# Altium PCB 10515.0461_全联供输出板_V1.1_20200827_1P.PcbDoc (part 2 of 4) (continued)
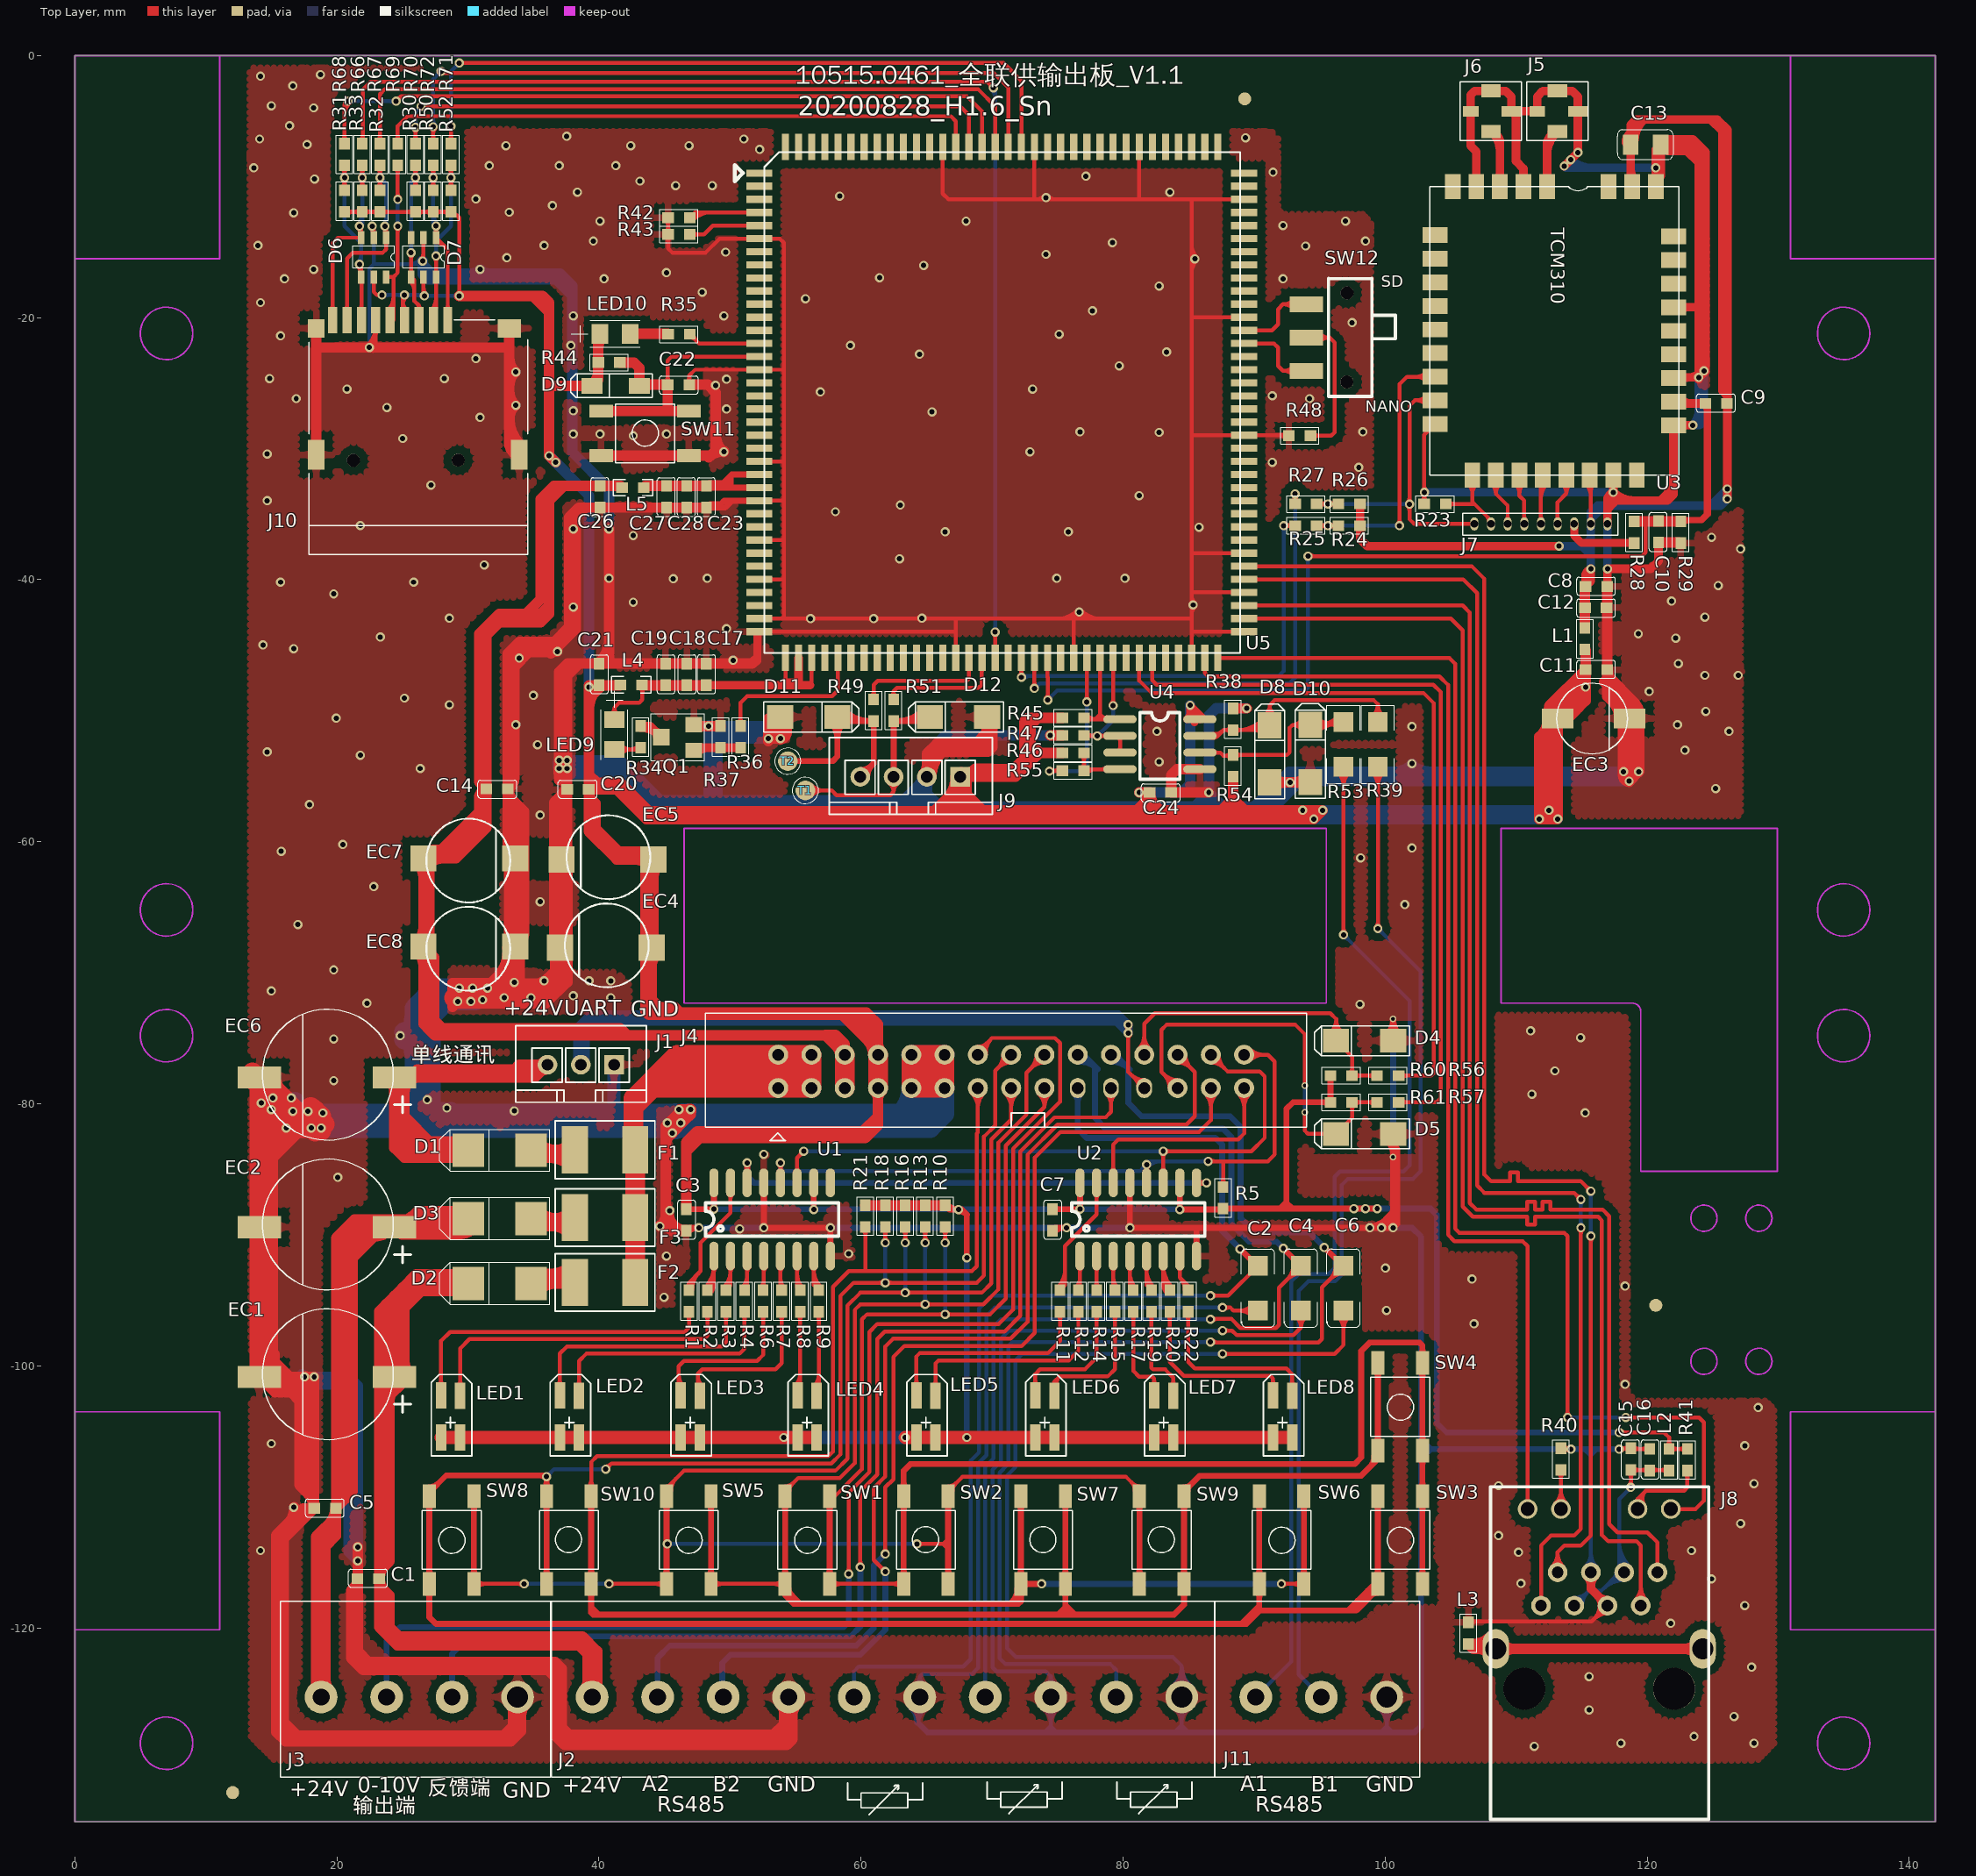
[diagram p0: Top Layer view]
## Nets (pads, with @x,y where several pads share a name; then routed paths per layer and width w, separated by ;. In a path a pad name is that pad's centre, name@x,y a point inside that pad or via, vN(x,y) a via of type N, cw(c..) or ccw(c..) an arc to the next point about the centre after c; other vN are vias at no path point) (continued)
  Top Layer w0.8: EC1.2@13.766,-100.526 ccw(c12.998,-99.758) 14.084,-99.758 ccw(c15.17,-99.758) EC1.2@14.402,-100.526 ; EC2.2@13.766,-89.732 cw(c12.998,-90.5) 14.084,-90.5 cw(c15.17,-90.5) EC2.2@14.402,-89.732 ; EC2.2@13.766,-89.096 ccw(c12.998,-88.328) 14.084,-88.328 ccw(c15.17,-88.328) EC2.2@14.402,-89.096 ; EC6.2@13.766,-78.302 cw(c12.998,-79.07) 14.084,-79.07 cw(c15.17,-79.07) EC6.2@14.402,-78.302 ; v1@14.174,-79.936 ccw(c15.28,-79.936) 14.498,-80.718 ; EC2.2@14.566,-89.732 cw(c13.245,-91.053) 15.113,-91.053 ; EC2.2@14.566,-89.096 ccw(c13.245,-87.775) 15.113,-87.775 ; EC1.2@14.594,-100.5 ccw(c13.428,-99.113) 15.24,-99.113 15.24,-100.002 14.398,-100.844 EC1.2@14.084,-100.844 ; EC1.2@14.731,-100.529 cw(c15.345,-101.793) 16.338,-100.799 ; EC6.2@14.884,-78.434 cw(c14.884,-79.347) EC6.2@15.529,-78.701 ; EC1.2@14.98,-101.284 cw(c15.195,-102.261) 15.902,-101.553 ; 15.113,-99.113 15.113,-84 ; 15.113,-82.349 15.113,-81.333 ; EC1.2@15.202,-101.162 cw(c15.97,-101.93) 15.97,-100.844 cw(c15.97,-99.758) EC1.2@15.202,-100.526 ; 15.24,-99.701 16.383,-100.844 ; 15.24,-84 17.399,-81.841 ; EC1.2@15.244,-100.574 ccw(c16.891,-99.343) 16.891,-101.399 ; EC6.2@15.334,-77.984 ccw(c16.594,-77.984) 15.703,-78.875 ; 15.347,-82.115 cw(c16.129,-82.897) v1@16.129,-81.791 ; 15.367,-82.095 cw(c16.102,-82.83) v1@16.13,-81.791 ; 15.367,-81.587 ccw(c16.102,-80.852) v1@16.13,-81.891 ; 16.184,-79.356 cw(c14.968,-80.571) v1@16.687,-80.571 ; 16.228,-112.067 ccw(c14.957,-110.797) v1@16.754,-110.797 ; v1@16.637,-80.521 cw(c16.637,-82.24) 17.852,-81.024 ; 16.843,-111.453 cw(c18.224,-112.835) C5.1@18.224,-110.88 ; 17.02,-111.276 cw(c18.012,-112.268) C5.1@18.224,-110.88 ; 17.035,-82.205 cw(c18.034,-83.203) v1@18.034,-81.791 ; 17.082,-82.158 cw(c17.972,-83.049) v1@18.037,-81.791 ; 17.215,-80.387 ccw(c17.78,-79.822) v1@17.78,-80.621 ; v1@17.476,-100.844 ccw(c18.45,-100.844) 17.761,-101.533 ; v1@17.53,-100.794 cw(c17.474,-101.581) 18.263,-101.581 ; v1@17.561,-100.809 cw(c15.868,-102.502) 18.263,-102.502 ; v1@17.575,-100.855 cw(c16.891,-100.697) 16.891,-101.399 ; v1@17.653,-80.825 14.812,-77.984 EC6.2@14.084,-77.984 14.084,-80.304 15.113,-81.333 ; 17.718,-109.666 cw(c16.509,-110.874) C5.1@18.218,-110.874 ; 18.263,-109.448 17.145,-108.33 ; 18.263,-102.034 17.628,-101.399 16.891,-101.399 ; J10.11@18.415,-30.471 18.415,-22.278 ; J10.10@18.415,-20.819 18.415,-22.278 ; v1(18.796,-81.841) 15.621,-81.841 ; 21.317,-116.91 ccw(c20.788,-116.382) C1.1@21.52,-116.232 ; C1.1@21.565,-116.231 21.565,-116.662 21.082,-117.145 21.082,-122.301 21.996,-123.215 35.585,-123.215 ; v1@21.59,-113.843 21.59,-121.793 22.403,-122.606 36.652,-122.606 37.16,-123.114 37.16,-128.143 38.684,-128.143 ; 28.829,-72.591 cw(c29.288,-72.591) v1@29.2,-72.14 ; 28.829,-72.279 cw(c30.443,-72.279) 29.302,-71.138 cw(c30.136,-71.972) 30.136,-70.792 ; 28.829,-71.39 ccw(c30.009,-71.39) v1@29.175,-72.224 ; v1(29.337,-71.173) v1@29.337,-72.316 ; v1@29.383,-71.153 ccw(c28.829,-71.397) 28.829,-70.792 ; 29.554,-70.792 cw(c29.554,-71.972) v1@30.388,-71.138 ; v1@30.318,-71.138 cw(c31.152,-71.972) 31.152,-70.792 ; 30.622,-72.316 ccw(c30.622,-71.569) v1@31.15,-72.097 ; 30.697,-70.792 cw(c30.697,-71.972) v1@31.531,-71.138 ; v1@31.08,-72.097 ccw(c31.608,-71.569) 31.608,-72.316 ; 31.875,-72.316 ccw(c31.875,-71.006) v1@32.801,-71.932 ; 32.223,-70.319 ccw(c30.292,-68.389) EC8.2@33.003,-68.069 ; v1@32.731,-71.932 ccw(c33.657,-71.006) 33.657,-72.316 ; J10.13@32.936,-21.03 cw(c32.426,-21.54) 33.147,-21.54 cw(c33.868,-21.54) J10.13@33.358,-21.03 ; EC7.2@33.045,-60.413 ccw(c34.453,-60.413) EC7.2@33.458,-61.408 ; 33.045,-58.482 ccw(c36.384,-58.482) 34.023,-60.843 cw(c35.048,-59.818) 33.599,-59.818 cw(c32.15,-59.818) 33.175,-60.843 ccw(c30.482,-58.15) 34.29,-58.15 ; 33.045,-56.441 34.29,-57.686 34.29,-66.982 ; 33.045,-52.42 cw(c35.006,-52.42) v1@33.62,-51.034 ; 33.045,-49.718 ccw(c35.006,-49.718) v1@33.62,-51.104 ; C14.1@33.079,-55.955 ccw(c31.995,-54.871) 33.528,-54.871 ; C14.1@33.08,-55.954 ccw(c32.619,-55.171) 33.528,-55.171 ; EC8.2@33.147,-67.546 33.147,-61.267 EC7.2@33.599,-61.267 ; 33.147,-65.458 ccw(c36.139,-65.458) 34.023,-67.574 cw(c35.048,-66.549) 33.599,-66.549 cw(c32.15,-66.549) 33.175,-67.574 ccw(c30.482,-64.881) 34.29,-64.881 ; 33.147,-63.807 cw(c36.139,-63.807) 34.023,-61.691 ccw(c35.048,-62.716) 33.599,-62.716 ccw(c32.15,-62.716) 33.175,-61.691 cw(c30.482,-64.384) 34.29,-64.384 ; 33.147,-29.488 ccw(c34.385,-29.488) J10.12@33.509,-30.363 ; 33.147,-27.791 cw(c34.761,-27.791) v1@33.62,-26.65 ; 33.147,-27.556 ccw(c36.316,-27.556) J10.12@34.075,-29.797 ; 33.147,-25.579 ccw(c34.761,-25.579) v1@33.62,-26.72 ; 33.147,-25.251 cw(c34.761,-25.251) v1@33.62,-24.11 ; 33.147,-23.039 ccw(c34.761,-23.039) v1@33.62,-24.18 ; J10.13@33.147,-20.819 33.147,-22.278 ; J3.1@33.206,-125.893 cw(c31.332,-127.878) 34.061,-127.878 ; 33.338,-55.361 ccw(c33.937,-55.96) 33.09,-55.96 ccw(c34.359,-55.96) 33.462,-56.857 ; 33.389,-69.153 ccw(c32.378,-68.142) EC8.2@33.798,-67.974 ; 33.409,-46.146 cw(c33.909,-46.646) v1@33.909,-45.939 ; 33.426,-127.537 cw(c35.293,-127.537) J3.1@34.26,-125.983 ; EC8.2@33.599,-68.943 31.75,-70.792 28.829,-70.792 ; 33.599,-56.995 EC7.2@33.599,-61.267 ; EC8.2@33.74,-68.139 ccw(c32.414,-66.813) 34.29,-66.813 ; EC7.2@33.74,-61.408 ccw(c32.414,-60.082) 34.29,-60.082 ; EC7.2@33.74,-61.126 cw(c32.414,-62.452) 34.29,-62.452 ; 33.788,-46.402 ccw(c33.375,-45.989) v1@33.959,-45.989 ; J3.1@33.789,-125.649 34.061,-125.921 34.061,-127.864 33.274,-128.651 16.078,-128.651 15.367,-127.94 15.367,-112.928 17.421,-110.874 C5.1@18.263,-110.874 ; v1@33.859,-45.992 cw(c34.467,-45.95) 34.036,-45.519 ; v1@33.874,-45.954 cw(c34.923,-47.003) 34.923,-45.519 ; 33.907,-72.316 ccw(c33.907,-71.006) v1@34.833,-71.932 ; v1@33.909,-46.039 ccw(c33.909,-45.454) 34.322,-45.868 ; J10.12@33.909,-30.471 33.147,-29.709 33.147,-22.278 ; 34.061,-126.669 cw(c35.183,-126.669) J3.1@34.39,-125.876 ; EC8.2@34.147,-67.754 cw(c34.78,-67.472) 34.29,-66.982 ; J3.1@34.163,-125.649 33.426,-124.912 33.426,-127.508 32.715,-128.219 16.967,-128.219 ; 34.671,-45.519 33.528,-46.662 33.528,-55.171 ; v1@34.763,-71.932 ccw(c35.689,-71.006) 35.689,-72.316 ; 36.33,-45.638 cw(c36.83,-46.138) v1@36.83,-45.431 ; EC4.2@36.576,-67.638 36.576,-57.001 C20.1@37.567,-56.01 ; 36.576,-65.571 ccw(c39.517,-65.571) 37.437,-67.651 cw(c38.462,-66.626) 37.013,-66.626 cw(c35.564,-66.626) 36.589,-67.651 ccw(c34.167,-65.229) 37.592,-65.229 ; 36.576,-64.154 cw(c39.95,-64.154) 37.564,-61.768 ccw(c38.895,-63.099) 37.013,-63.099 ; EC5.2@36.576,-62.223 cw(c38.019,-62.223) EC5.2@36.999,-61.203 ; EC5.2@36.576,-60.465 ccw(c38.019,-60.465) EC5.2@36.999,-61.485 ; 36.576,-58.534 ccw(c39.95,-58.534) 37.564,-60.92 cw(c38.589,-59.895) 37.14,-59.895 cw(c35.691,-59.895) 36.716,-60.92 ccw(c34.662,-58.866) 37.567,-58.866 ; EC4.2@36.611,-68.52 cw(c34.616,-70.729) 37.592,-70.729 ; 36.652,-127.076 37.719,-128.143 38.684,-128.143 ; v1@36.78,-45.481 cw(c37.487,-45.481) 36.987,-44.981 ; v1@36.907,-54.405 ccw(c38.084,-54.501) 37.249,-55.336 ; 36.957,-55.289 cw(c37.979,-55.289) v1@37.545,-54.364 ; 36.957,-55.125 cw(c38.918,-55.125) v1@37.531,-53.739 ; 36.957,-53.058 ccw(c38.918,-53.058) v1@37.531,-54.444 ; 36.957,-52.423 ccw(c38.918,-52.423) v1@37.531,-53.809 ; v1@36.992,-54.444 ccw(c35.606,-53.058) 37.567,-53.058 ; v1@36.992,-54.374 cw(c35.606,-55.76) C20.1@37.567,-55.76 ; v1@36.992,-53.809 ccw(c35.606,-52.423) 37.567,-52.423 ; v1@36.992,-53.739 cw(c35.606,-55.125) 37.567,-55.125 ; 37.013,-62.486 ccw(c35.998,-62.486) 36.716,-61.768 cw(c34.6,-63.884) 37.592,-63.884 ; 37.14,-56.963 cw(c38.482,-56.963) C20.1@37.533,-56.015 ; 37.14,-56.587 cw(c37.753,-56.587) C20.1@37.531,-56.016 ; EC4.2@37.147,-67.927 cw(c36.242,-68.928) EC4.2@37.592,-68.928 ; EC4.2@37.154,-68.216 ccw(c36.098,-67.16) EC4.2@37.592,-67.16 ; 37.16,-124.282 36.093,-123.215 35.585,-123.215 ; 37.239,-55.326 cw(c36.554,-56.01) C20.1@37.522,-56.01 ; EC5.2@37.592,-60.403 EC4.2@37.592,-67.496 ; 37.719,-43.614 36.576,-44.757 33.909,-44.757 33.045,-45.621 33.045,-46.51 ; 37.719,-42.745 cw(c38.695,-42.745) v1@38.005,-42.055 ; 37.719,-41.435 ccw(c38.695,-41.435) v1@38.005,-42.125 ; 37.719,-36.776 cw(c38.695,-36.776) v1@38.005,-36.086 ; 37.719,-35.466 ccw(c38.695,-35.466) v1@38.005,-36.156 ; v1@38.076,-42.125 ccw(c37.71,-41.76) 38.227,-41.76 ; v1@38.076,-42.055 cw(c37.71,-42.42) 38.227,-42.42 ; v1@38.076,-36.156 ccw(c37.71,-35.791) 38.227,-35.791 ; v1@38.076,-36.086 cw(c37.71,-36.451) 38.227,-36.451 ; 38.989,-34.495 38.227,-35.257 38.227,-43.741 37.719,-44.249 ; C21.1@40,-46.365 ccw(c38.15,-44.515) 40.767,-44.515 ; SW11.3@40.16,-30.531 SW11.4@46.86,-30.531 48.516,-30.531 48.895,-30.152 48.895,-25.707 48.31,-25.122 C22.1@46.888,-25.122 ; v1(40.767,-36.121) 40.767,-46.408 ; v1@44.632,-89.285 cw(c44.818,-90.041) 45.369,-89.491 ; v1@44.644,-89.284 cw(c44.644,-90.534) 45.528,-89.65 ; v1@44.678,-89.371 ccw(c43.829,-88.445) 45.085,-88.445 ; 45.085,-88.789 cw(c46.035,-88.789) v1@45.363,-88.118 ; 45.085,-88.761 cw(c45.968,-88.761) v1@45.364,-88.116 ; 45.085,-87.517 ccw(c46.035,-87.517) v1@45.363,-88.188 ; 45.085,-82.94 cw(c45.927,-82.94) v1@45.572,-82.177 ; C27.1@45.162,-34.495 C23.1@48.21,-34.495 C26.1@40.082,-34.495 38.456,-34.495 37.719,-35.232 37.719,-44.249 ; v1@45.35,-88.142 ccw(c46.556,-88.4) 45.684,-89.272 ; v1@45.543,-82.222 cw(c47.875,-82.222) v1@46.226,-80.573 ; v1@45.588,-82.272 cw(c45.646,-81.714) v1@45.085,-81.714 ; 45.63,-89.219 ccw(c46.659,-88.191) C3.2@46.659,-89.645 ; 45.991,-80.808 cw(c46.99,-81.806) v1@46.99,-80.394 ; 46.007,-80.792 ccw(c45.658,-80.444) v1@46.151,-80.444 ; v1@46.038,-80.761 cw(c46.928,-81.652) v1@46.993,-80.394 ; 46.101,-89.69 45.085,-88.674 45.085,-88.445 ; v1@46.183,-81.482 cw(c46.994,-81.083) v1@46.355,-80.444 ; C3.2@46.659,-89.69 45.568,-89.69 45.085,-89.207 45.085,-88.445 ; 46.806,-81.009 ccw(c46.241,-80.444) v1@47.04,-80.444 ; Q1.2@47.244,-51.062 47.353,-51.17 R37.1@49.276,-51.17 ; Q1.2@47.429,-50.941 ccw(c47.984,-50.386) 47.984,-51.17 ; 48.38,-30.667 cw(c49.53,-31.818) v1@49.53,-30.191 ; 48.533,-30.514 cw(c49.349,-31.33) v1@49.538,-30.192 ; 48.895,-28.829 ccw(c50.942,-28.829) v1@49.495,-30.276 ; 49.74,-46.408 ccw(c49.74,-45.661) v1@50.268,-46.189 ; v1@50.197,-46.189 ccw(c50.725,-45.661) 50.725,-46.408 ; 51.943,-46.154 51.689,-46.408 C17.1@48.183,-46.408 C18.1@46.697,-46.408 C19.1@45.085,-46.408 40.767,-46.408 ; v1@52.934,-52.302 cw(c54.377,-52.302) D11.2@53.891,-50.943 ; D11.2@52.934,-51.167 cw(c53.971,-51.167) D11.2@53.622,-50.189 ; v1@52.958,-52.166 ccw(c52.62,-51.576) 53.301,-51.576 ; v1@52.969,-52.158 ccw(c52.168,-51.357) D11.2@53.301,-51.357 ; 53.301,-51.654 cw(c54.019,-51.654) D11.2@53.845,-50.957 ; D11.2@53.365,-50.19 52.934,-50.622 D11.2@52.934,-51.361 ; D11.2@53.469,-50.826 cw(c52.616,-51.679) 53.823,-51.679 cw(c55.03,-51.679) D11.2@54.177,-50.826 ; D11.2@53.782,-50.952 cw(c53.566,-51.685) 54.331,-51.685 ; v1@53.823,-52.123 D11.2@53.823,-50.472 ; v1@53.856,-52.172 ccw(c53.766,-51.615) 54.331,-51.615 ; v1@53.883,-52.158 ccw(c52.804,-51.079) D11.2@54.331,-51.079 ; 54.127,-128.164 cw(c57.358,-128.164) J2.7@55.076,-125.877 ; 54.127,-127.33 53.315,-128.143 53.061,-128.143 ; 54.127,-126.485 ccw(c53.266,-126.485) 53.875,-125.876 cw(c51.732,-128.019) 54.762,-128.019 ; 54.762,-126.636 cw(c55.837,-126.636) J2.7@55.077,-125.876 ; J9.2@64.777,-54.797 ccw(c64.179,-54.199) 65.024,-54.199 ccw(c65.869,-54.199) J9.2@65.271,-54.797 ; J9.2@65.374,-55.044 cw(c67.913,-55.044) 66.118,-53.249 ; D12.2@69.267,-50.826 cw(c68.414,-51.679) 69.621,-51.679 cw(c70.828,-51.679) D12.2@69.975,-50.826 ; D12.2@69.367,-50.826 cw(c67.792,-52.401) 70.02,-52.401 ; 69.621,-51.639 68.732,-52.527 ; v1(74.45,-51.879) R47.2@75.362,-51.879 ; U4.5@85.859,-54.462 84.121,-54.462 83.668,-54.915 C24.1@83.668,-56.235 85.345,-56.235 v1(86.538,-56.236) ; R38.1@88.392,-49.822 v1(89.421,-49.822) ; D8.2@91.186,-55.474 94.259,-55.474 D10.2@94.285,-55.448 ; D8.2@91.54,-55.827 cw(c92.393,-56.681) 92.393,-55.474 cw(c92.393,-54.266) D8.2@91.54,-55.12 ; v1@93.016,-55.474 ccw(c93.016,-54.18) D10.2@93.931,-55.095 ; 93.139,-55.474 cw(c93.139,-56.594) D10.2@93.931,-55.802 ; 116.702,-47.794 cw(c113.915,-50.582) 117.857,-50.582 ccw(c115.926,-50.582) 117.291,-49.216 ; 116.942,-48.034 118.657,-49.749 ; C8.2@116.967,-40.491 C8.2@116.942,-40.516 C11.2@116.942,-46.866 ; C11.2@116.986,-46.866 ccw(c118.134,-46.866) 117.322,-47.678 ; 117.547,-47.903 cw(c114.868,-50.582) EC3.2@118.657,-50.582 ; 118.068,-49.16 cw(c116.646,-50.582) EC3.2@118.657,-50.582 ; v1@118.136,-54.648 ccw(c118.722,-54.648) 118.308,-55.062 ; v1@118.161,-54.389 ccw(c119.6,-54.389) v1@118.582,-55.407 ; 118.161,-51.539 cw(c119.164,-51.539) EC3.2@118.454,-50.829 ; EC3.2@118.176,-50.582 EC3.2@118.657,-50.582 ; v1@118.201,-54.6 cw(c118.003,-55.223) v1@118.657,-55.223 ; v1@118.222,-54.683 ccw(c117.17,-53.632) 118.657,-53.632 ; EC3.2@118.41,-50.829 cw(c117.812,-51.427) 118.657,-51.427 cw(c119.502,-51.427) EC3.2@118.904,-50.829 ; EC3.2@118.412,-50.332 ccw(c117.841,-49.749) 118.657,-49.749 ; EC3.2@118.491,-50.748 EC3.2@118.657,-50.582 ; v1@118.612,-55.421 cw(c118.671,-54.915) v1@118.161,-54.915 ; 118.657,-54.979 EC3.2@118.657,-50.582 ; 118.657,-53.116 ccw(c120.873,-53.116) v1@119.306,-54.683 ; EC3.2@118.657,-50.964 EC3.2@118.657,-50.582 ; EC3.2@118.86,-50.829 cw(c117.603,-52.086) 119.38,-52.086 ; EC3.2@118.86,-50.335 ccw(c118.277,-49.752) 119.101,-49.752 ; EC3.2@118.902,-50.332 cw(c119.473,-49.749) 118.657,-49.749 ; 118.913,-49.268 cw(c117.599,-50.582) EC3.2@119.457,-50.582 ; 119.101,-49.722 ccw(c119.967,-49.722) EC3.2@119.354,-50.335 ; C10.1@120.854,-37.162 R29.1@122.39,-37.162 ; EC1.2@14.084,-100.844 15.193,-100.844 15.748,-101.399 16.891,-101.399 ; EC1.2@14.084,-100.844 v1(18.263,-100.844) C5.1@18.263,-110.874 ; EC1.2@14.084,-100.844 EC2.2@14.084,-89.414 14.084,-83.378 15.621,-81.841 ; EC1.2@14.084,-100.844 15.274,-102.034 16.51,-102.034 17.145,-102.669 17.145,-108.33 ; 15.113,-81.333 15.621,-81.841 ; 15.951,-126.467 15.951,-127.762 16.408,-128.219 16.967,-128.219 ; 15.951,-126.467 15.951,-113.185 C5.1@18.263,-110.874 ; 15.951,-126.467 15.951,-127.203 16.967,-128.219 ; 16.891,-101.399 17.653,-102.161 17.653,-108.838 17.145,-108.33 ; 17.145,-108.33 17.145,-109.093 18.263,-110.211 C5.1@18.263,-110.874 ; 18.415,-22.278 22.961,-22.278 33.147,-22.278 ; 28.829,-70.792 28.829,-72.316 v1@29.337,-72.316 ; v1@29.337,-72.316 35.941,-72.316 37.592,-70.665 EC4.2@37.592,-67.496 ; C14.1@33.045,-55.96 33.045,-60.713 EC7.2@33.599,-61.267 ; C14.1@33.045,-55.96 33.045,-46.51 ; C14.1@33.045,-55.96 33.045,-55.654 33.528,-55.171 ; 33.045,-46.51 34.036,-45.519 ; EC7.2@33.599,-61.267 EC8.2@33.599,-67.998 33.599,-67.673 34.29,-66.982 ; 34.036,-45.519 36.449,-45.519 37.719,-44.249 ; 35.585,-123.215 36.351,-123.215 36.652,-123.517 36.652,-128.194 37.389,-128.93 54.331,-128.93 54.762,-128.499 54.762,-125.788 54.127,-125.153 54.127,-128.143 53.061,-128.143 ; EC5.2@37.14,-61.344 37.14,-56.437 C20.1@37.567,-56.01 ; EC5.2@37.14,-61.344 37.013,-61.471 EC4.2@37.013,-68.075 EC4.2@37.592,-67.496 ; EC5.2@37.14,-61.344 37.567,-60.917 C20.1@37.567,-56.01 ; C20.1@37.567,-56.01 37.567,-47.322 38.481,-46.408 ; C20.1@37.567,-56.01 37.567,-55.654 36.957,-55.044 36.957,-47.043 37.592,-46.408 38.481,-46.408 ; 38.481,-46.408 C21.1@40.005,-46.408 40.767,-46.408 ; 38.684,-128.143 53.061,-128.143 ; 45.085,-88.445 45.085,-83.111 ; 45.085,-83.111 v1@45.085,-81.714 ; 45.085,-83.111 45.085,-82.73 46.99,-80.825 v1(46.99,-80.444) v1@46.355,-80.444 ; v1@45.085,-81.714 v1@46.355,-80.444 ; D11.2@52.934,-51.361 D11.2@53.823,-50.472 ; D11.2@52.934,-51.361 v1(52.934,-52.123) v1(53.848,-52.123) ; 53.301,-51.576 53.301,-50.994 D11.2@53.823,-50.472 ; 53.301,-51.576 v1(53.848,-52.123) ; D11.2@53.823,-50.472 54.331,-50.98 54.331,-51.615 ; D11.2@53.823,-50.472 53.823,-51.107 54.331,-51.615 ; v1(53.848,-52.123) 53.848,-52.098 54.331,-51.615 ; 68.732,-52.527 65.786,-52.527 65.024,-53.289 J9.2@65.024,-55.044 65.024,-54.342 66.255,-53.111 69.69,-53.111 70.02,-52.781 70.02,-50.871 D12.2@69.621,-50.472 69.621,-52.147 69.24,-52.527 68.732,-52.527 ; C11.2@116.942,-46.866 116.942,-48.867 EC3.2@118.657,-50.582 ; C11.2@116.942,-46.866 116.942,-47.297 119.101,-49.456 119.101,-50.138 EC3.2@118.657,-50.582 ; v1@118.161,-54.915 v1(118.618,-55.372) 119.38,-54.609 119.38,-51.305 EC3.2@118.657,-50.582 ; v1@118.161,-54.915 118.161,-51.078 EC3.2@118.657,-50.582 ; EC3.2@118.657,-50.582 118.657,-49.749 ; 45.085,-83.246 cw(c46.508,-83.246) 45.56,-82.185 ccw(c46.508,-83.246) 45.085,-83.246
  Top Layer w1.5: EC6.2@13.537,-77.602 ccw(c14.206,-77.792) EC6.2@13.714,-78.283 ; EC1.2@14.084,-100.844 EC6.2@14.084,-77.984 14.084,-78.653 16.256,-80.825 18.669,-80.825 18.796,-80.952 v1(18.796,-81.841) 15.875,-81.841 14.338,-83.378 14.084,-83.378 ; 14.084,-81.656 cw(c16.198,-81.656) 14.703,-80.161 ; 14.084,-81.074 cw(c16.632,-81.074) 14.83,-79.272 ; 14.084,-79.232 ccw(c16.198,-79.232) 14.703,-80.727 ; EC6.2@14.084,-78.036 ccw(c16.632,-78.036) 14.83,-79.838 ; EC6.2@14.98,-78.011 ccw(c17.022,-78.59) 15.521,-80.09 ; 15.846,-81.558 cw(c17.616,-83.328) v1@17.616,-80.825 ; v1@16.547,-80.825 cw(c16.547,-83.328) 18.317,-81.558 ; 17.309,-80.825 cw(c17.309,-83.328) 19.079,-81.558 ; 17.985,-80.228 cw(c17.132,-81.656) v1@18.796,-81.656 ; 18.063,-80.288 cw(c16.293,-82.058) v1@18.796,-82.058 ; 18.317,-82.124 ccw(c17.16,-80.967) v1@18.796,-80.967 ; 28.927,-71.906 cw(c30.697,-73.676) v1@30.697,-71.173 ; v1(29.337,-71.173) 31.877,-71.173 ; 29.934,-71.173 cw(c29.934,-73.243) 31.398,-71.779 ; 29.943,-71.906 cw(c31.713,-73.676) v1@31.713,-71.173 ; 32.483,-71.614 cw(c33.548,-72.679) 33.548,-71.173 ; 33.245,-71.022 ccw(c33.61,-70.657) 33.61,-71.173 ; EC8.2@33.599,-67.998 33.599,-70.34 32.766,-71.173 31.877,-71.173 ; 34.016,-71.173 cw(c34.016,-72.679) 35.081,-71.614 ; 34.515,-71.614 cw(c35.58,-72.679) 35.58,-71.173 ; 35.425,-71.173 ccw(c35.425,-70.223) 36.097,-70.895 ; 35.814,-71.012 ccw(c35.814,-70.623) 36.089,-70.898 ; EC4.2@37.013,-68.075 37.013,-69.974 35.814,-71.173 31.877,-71.173 ; J4.9@63.843,-78.8 cw(c66.373,-80.668) 66.373,-77.523 ; J4.10@63.843,-76.246 ccw(c66.373,-74.378) 66.373,-77.523 ; J4.11@66.363,-78.8 ccw(c63.833,-80.668) 63.833,-77.523 ; J4.12@66.363,-76.246 cw(c63.833,-74.378) 63.833,-77.523 ; 33.446,-71.173 ccw(c33.446,-70.657) 33.811,-71.022 ; 33.446,-71.173 ccw(c33.446,-70.657) 33.811,-71.022 ; 33.446,-71.173 ccw(c33.446,-70.657) 33.811,-71.022 ; 63.833,-77.523 66.373,-77.523 ; 63.833,-77.523 63.833,-76.301 63.881,-76.253 J4.12@66.373,-76.253 J4.11@66.373,-78.793 J4.9@63.833,-78.793 63.833,-77.523 ; 31.984,-71.173 cw(c31.984,-72.679) 33.049,-71.614 ccw(c31.984,-72.679) 31.984,-71.173
  Bottom Layer w0.3: v1@22.338,-22.137 ccw(c21.996,-21.795) 22.479,-21.795 ccw(c22.962,-21.795) v1@22.62,-22.137 ; v1(22.479,-22.278) 22.479,-16.248 22.799,-15.928 ; v1@22.553,-13.153 cw(c21.958,-13.748) 22.799,-13.748 ; v1@22.799,-12.941 22.799,-15.928 ; 25.447,-15.928 ccw(c25.447,-14.578) v1@26.402,-15.533 ; 26.171,-15.928 ccw(c26.171,-15.302) v1@26.614,-15.745 ; 26.289,-15.928 22.799,-15.928 ; v1@26.402,-15.815 cw(c26.06,-16.157) 26.543,-16.157 cw(c27.026,-16.157) v1@26.684,-15.815 ; v1(26.543,-15.674) 26.543,-16.944 26.924,-17.325 36.957,-17.325 37.592,-17.96 ; 41.021,-80.746 41.148,-80.619 ; J2.5@64.105,-124.239 ccw(c63.916,-123.713) 64.476,-123.713 ; J2.5@64.476,-125.275 64.476,-123.713 ; J2.5@64.847,-124.239 cw(c65.036,-123.713) 64.476,-123.713 ; 69.566,-106.274 69.566,-105.791 ; J2.3@73.906,-126.216 cw(c73.291,-127.229) 74.476,-127.229 ; 73.99,-127.965 74.476,-127.479 74.476,-127.229 ; J2.3@74.061,-125.959 cw(c73.614,-126.696) 74.476,-126.696 cw(c75.338,-126.696) J2.3@74.891,-125.959 ; J2.3@74.098,-124.242 ccw(c73.9,-123.701) 74.476,-123.701 ; 74.397,-127.965 74.476,-127.886 74.476,-127.229 ; J2.3@74.854,-124.242 cw(c75.052,-123.701) 74.476,-123.701 ; 74.93,-127.965 74.476,-127.511 74.476,-127.229 ; J2.3@75.046,-126.216 ccw(c75.661,-127.229) 74.476,-127.229 ; J2.1@83.766,-124.435 ccw(c82.476,-122.906) 84.476,-122.906 ; 83.922,-127.965 84.476,-127.411 84.476,-127.102 ; J2.1@83.96,-124.664 ccw(c83.021,-123.552) 84.476,-123.552 ccw(c85.931,-123.552) J2.1@84.992,-124.664 ; J2.1@83.962,-126.247 cw(c83.51,-127.102) 84.476,-127.102 ; J2.1@84.102,-125.982 cw(c83.773,-126.603) 84.476,-126.603 cw(c85.179,-126.603) J2.1@84.85,-125.982 ; 84.43,-127.965 84.476,-127.919 84.476,-127.102 ; J2.1@84.99,-126.247 ccw(c85.442,-127.102) 84.476,-127.102 ; 85.014,-127.965 84.476,-127.427 84.476,-127.102 ; J2.1@85.186,-124.435 cw(c86.476,-122.906) 84.476,-122.906 ; v1@87.438,-99.227 ccw(c87.096,-99.568) 87.096,-99.085 ccw(c87.096,-98.603) v1@87.438,-98.944 ; v1@87.438,-97.449 ccw(c87.096,-97.79) 87.096,-97.307 ccw(c87.096,-96.825) v1@87.438,-97.166 ; v1@87.438,-95.696 ccw(c87.096,-96.038) 87.096,-95.555 ccw(c87.096,-95.072) v1@87.438,-95.413 ; v1(87.579,-99.085) 72.285,-99.085 71.782,-99.589 71.782,-107.736 71.138,-108.38 71.138,-121.539 71.808,-122.209 83.779,-122.209 84.476,-122.906 ; v1(87.579,-97.307) 71.293,-97.307 70.674,-97.927 70.674,-107.277 70.03,-107.921 70.03,-123.014 70.333,-123.317 74.092,-123.317 74.476,-123.701 ; v1(87.579,-95.555) 70.201,-95.555 69.566,-96.19 69.566,-105.791 ; J11.1@99.495,-126.178 cw(c98.657,-127.381) 100.123,-127.381 ; 99.644,-127.965 100.123,-127.486 100.123,-127.381 ; J11.1@99.666,-125.932 cw(c99.057,-126.807) 100.123,-126.807 cw(c101.189,-126.807) J11.1@100.58,-125.932 ; J11.1@100.123,-125.275 100.123,-127.381 ; 100.178,-127.965 100.123,-127.911 100.123,-127.381 ; 100.559,-127.965 100.123,-127.53 100.123,-127.381 ; J11.1@100.751,-126.178 ccw(c101.589,-127.381) 100.123,-127.381 ; 115.164,-106.352 115.701,-106.889 115.701,-106.909 ; J8.5@115.277,-115.33 ccw(c114.252,-114.305) 115.701,-114.305 ccw(c117.15,-114.305) J8.5@116.125,-115.33 ; J8.5@115.701,-115.754 115.701,-106.909 ; 115.701,-106.475 115.701,-106.909 ; 116.205,-106.352 115.701,-106.856 115.701,-106.909 ; 64.476,-123.713 64.673,-123.515 68.458,-123.515 68.922,-123.051 68.922,-107.462 69.566,-106.818 69.566,-105.791 ; 74.476,-127.229 J2.3@74.476,-125.275 74.476,-123.701 ; 84.476,-127.102 J2.1@84.476,-125.275 84.476,-122.906
  Bottom Layer w0.45: v1(47.625,-89.461) v1(52.578,-89.461) ; 50.26,-89.461 cw(c50.26,-90.015) v1@50.652,-89.623 ; v1@50.829,-89.623 cw(c51.221,-90.015) 51.221,-89.461 ; v1(57.658,-89.461) v1(75.692,-89.461) v1(80.518,-89.461) ; J2.5@63.773,-126.021 cw(c62.651,-127.212) 64.287,-127.212 cw(c65.415,-127.212) J2.5@64.923,-126.197 ; J2.5@64.476,-125.275 64.287,-125.464 64.287,-127.203 65.049,-127.965 102.26,-127.965 102.743,-127.483 102.743,-105.588 ; v1(98.831,-89.461) 102.059,-89.461 102.743,-90.145 102.743,-105.588 ; v2(100.609,-84.049) v2(100.609,-73.508) ; 102.743,-107.114 103.505,-106.352 ; 102.743,-106.352 103.505,-106.352 ; v1(117.856,-106.352) v1(114.173,-106.352) 103.505,-106.352 ; 102.743,-105.588 102.743,-105.59 103.505,-106.352
  Bottom Layer w0.65: v1(102.997,-33.327) v1(117.41,-33.327) ; v1(113.665,-8.435) 113.792,-8.562 v1(120.653,-8.562) ; v1@113.683,-8.417 ccw(c114.032,-8.068) 114.032,-8.562 ; v1@114.176,-7.924 ccw(c115.716,-6.384) 115.716,-8.562 ; v1(116.967,-39.169) J7.1@116.967,-35.74 ; v1@123.465,-28.19 ccw(c122.344,-27.069) 123.93,-27.069 ; v1@123.485,-28.183 ccw(c123.561,-27.094) 124.333,-27.866 ; v1@123.912,-24.582 cw(c122.897,-25.597) 124.333,-25.597 ; 123.93,-25.089 cw(c125.366,-25.089) v1@124.351,-24.074 ; v1@123.93,-24.704 cw(c124.61,-24.704) v1@124.343,-24.079 ; 124.333,-27.866 v1(124.333,-24.056) ; 124.333,-27.866 123.991,-28.208 v1(123.483,-28.208) 123.93,-27.761 v1(123.93,-24.564) 124.333,-24.161 v1(124.333,-24.056) ; v1(124.333,-24.056) cw(c123.843,-24.056) 123.926,-24.539 ccw(c123.843,-24.056) v1(124.333,-24.056)
  Bottom Layer w0.8: v1@17.316,-100.634 ccw(c18.02,-99.93) v1@18.275,-100.892 ; v1@18.227,-100.879 ccw(c19.538,-99.569) 19.538,-101.422 ; 20.904,-112.282 ccw(c23.125,-112.282) v1@21.555,-113.853 ; 20.904,-102.565 19.761,-101.422 ; v1@26.493,-15.674 ccw(c26.986,-15.674) 26.637,-16.022 ; 27.686,-17.071 27.241,-16.626 ; 30.282,-16.626 ccw(c30.282,-15.663) v1@30.964,-16.344 ; v1@30.893,-16.344 ccw(c31.574,-15.663) 31.574,-16.626 ; v1@36.858,-54.31 ccw(c37.331,-53.836) v1@37.586,-54.455 ; v1@36.907,-54.416 ccw(c37.361,-54.355) 37.361,-54.813 ; v1@36.907,-53.776 ccw(c37.567,-53.749) v1(37.567,-54.409) ; v1@36.912,-53.753 ccw(c37.51,-54.03) v1@37.044,-54.496 ; v1@36.922,-54.444 ccw(c37.812,-53.554) 37.812,-54.813 ; v1@36.922,-54.374 cw(c38.369,-55.821) 38.369,-53.774 ; v1@36.922,-53.809 ccw(c38.369,-52.362) 38.369,-54.409 ; v1@36.957,-54.654 cw(c37.979,-54.654) v1@37.545,-53.729 ; v1@36.957,-54.384 cw(c37.619,-54.384) v1@37.562,-53.724 ; v1@36.961,-53.724 cw(c36.905,-54.384) v1@37.567,-54.384 ; v1@36.963,-54.459 ccw(c36.877,-53.774) v1(37.567,-53.774) v1(37.567,-54.409) ; v1@36.978,-53.729 cw(c36.545,-54.654) v1@37.567,-54.654 ; v1@37.531,-54.444 ccw(c38.422,-53.554) 38.422,-54.813 ; v1@37.531,-54.374 cw(c38.979,-55.821) 38.979,-53.774 ; v1@37.531,-53.809 ccw(c38.979,-52.362) 38.979,-54.409 ; v1@37.56,-54.459 cw(c37.647,-53.774) v1(36.957,-53.774) ; v1@37.617,-54.407 ccw(c36.957,-54.434) v1(36.957,-53.774) ; v1(40.767,-36.121) 40.767,-33.073 37.973,-30.279 37.973,-18.341 ; v1@48.313,-51.184 ccw(c48.83,-51.039) 48.83,-51.576 ; v1@48.326,-51.206 ccw(c49.219,-50.313) 49.219,-51.576 ; 48.362,-52.299 48.537,-52.123 49.911,-52.123 ; v1@48.383,-51.126 cw(c48.062,-51.789) 48.799,-51.789 ; 48.799,-51.608 48.83,-51.576 ; 49.2,-56.822 49.053,-56.675 49.053,-53.594 ; 51.733,-51.576 cw(c51.733,-53.323) v1@52.969,-52.088 ; 63.246,-56.822 J9.2@65.024,-55.044 ; 64.516,-57.457 44.325,-57.457 41.277,-54.409 v1(36.957,-54.409) ; 64.58,-56.377 ccw(c63.91,-55.708) J9.2@64.723,-55.223 ; J9.2@64.674,-55.044 cw(c63.829,-55.044) 64.427,-55.641 cw(c65.024,-56.239) J9.2@65.024,-55.394 ; J9.2@64.777,-54.797 ccw(c64.179,-54.199) 65.024,-54.199 ccw(c65.869,-54.199) J9.2@65.271,-54.797 ; 65.989,-57.289 65.024,-56.324 J9.2@65.024,-55.044 ; v1(74.45,-51.879) 66.434,-51.879 65.024,-53.289 J9.2@65.024,-55.044 ; 85.42,-57.289 85.485,-57.289 v1(86.538,-56.236) 87.591,-57.289 87.808,-57.289 ; 86.563,-57.289 86.538,-57.263 86.563,-57.238 86.563,-50.343 87.097,-49.809 v1@89.408,-49.809 ; 90.018,-57.289 91.833,-55.474 ; 90.92,-57.289 65.364,-57.289 65.024,-56.949 64.213,-57.76 90.449,-57.76 v1(92.735,-55.474) ; 92.354,-56.516 ccw(c91.312,-55.474) v1@92.785,-55.474 ; v1@92.703,-55.435 cw(c93.105,-55.917) 93.548,-55.474 ; v1@92.715,-55.519 ccw(c92.998,-54.872) 93.498,-55.372 ; v1@92.837,-55.372 v1(92.735,-55.474) ; 100.667,-54.648 ccw(c100.667,-52.645) v1@102.084,-54.061 ; v1@102.013,-54.061 ccw(c103.429,-52.645) 103.429,-54.648 ; 116.559,-55.372 ccw(c116.559,-53.021) v1@118.222,-54.683 ; 116.991,-54.648 cw(c116.991,-56.999) v1@118.653,-55.336 ; v1@118.568,-55.368 cw(c119.341,-55.423) v1(119.342,-54.648) ; 19.761,-101.422 18.104,-101.422 v1(17.526,-100.844) 20.908,-100.844 21.59,-101.526 v1(21.59,-114.884) 20.904,-114.198 20.904,-101.676 20.65,-101.422 19.761,-101.422 ; 27.241,-16.626 26.543,-15.928 v1(26.543,-15.674) 26.543,-16.69 26.924,-17.071 36.703,-17.071 37.973,-18.341 ; 27.241,-16.626 37.02,-16.626 37.973,-17.579 37.973,-18.341 ; v1(36.957,-54.409) ccw(c36.957,-53.749) 37.617,-53.776 cw(c36.957,-53.749) v1(36.957,-54.409) ; v1(36.957,-54.409) 37.361,-54.813 ; v1(36.957,-54.409) v1(36.957,-53.774) ; v1(36.957,-54.409) v1(37.567,-54.409) ; v1(36.957,-53.774) 41.607,-53.774 44.655,-56.822 48.567,-56.822 ; 37.361,-54.813 40.945,-54.813 44.395,-58.263 65.024,-58.263 ; v1(48.362,-51.17) 49.053,-51.862 ; v1(48.362,-51.17) 52.895,-51.17 53.301,-51.576 ; v1(48.362,-51.17) 48.362,-56.617 48.567,-56.822 ; 48.567,-56.822 64.135,-56.822 65.024,-55.933 J9.2@65.024,-55.044 ; 48.83,-51.576 53.301,-51.576 ; 49.053,-53.594 49.053,-52.981 49.911,-52.123 ; 49.053,-53.594 49.053,-51.862 ; 49.053,-51.862 49.314,-52.123 49.911,-52.123 ; 49.911,-52.123 v1(53.848,-52.123) 53.301,-51.576 ; J9.2@64.777,-55.291 cw(c64.179,-55.889) 65.024,-55.889 ; J9.2@64.777,-55.291 cw(c64.179,-55.889) 65.024,-55.889 ; J9.2@64.777,-55.291 cw(c64.179,-55.889) 65.024,-55.889 ; 65.024,-58.263 90.606,-58.263 93.498,-55.372 ; 65.024,-58.263 J9.2@65.024,-55.044 ; 65.024,-55.889 cw(c65.869,-55.889) J9.2@65.271,-55.291 ; 65.024,-55.889 cw(c65.869,-55.889) J9.2@65.271,-55.291 ; 65.024,-55.889 cw(c65.869,-55.889) J9.2@65.271,-55.291 ; 91.833,-55.474 92.659,-54.648 v1(119.342,-54.648) ; 91.833,-55.474 v1(92.735,-55.474) ; v1(92.735,-55.474) 93.142,-55.067 93.446,-55.372 93.498,-55.372 ; 93.498,-55.372 v1(118.618,-55.372) v1(119.342,-54.648)
  Bottom Layer w1: 41.148,-80.619 J1.1@41.148,-77.015
  Bottom Layer w1.5: v1@14.097,-79.809 ccw(c14.762,-79.144) 15.373,-79.859 ; 14.703,-80.727 ccw(c14.749,-80.681) 14.749,-80.746 ; 14.703,-80.161 cw(c15.247,-80.705) 15.247,-79.936 ; 14.725,-79.936 cw(c14.725,-80.705) 15.269,-80.161 ; 14.83,-79.838 ccw(c15.067,-79.601) 15.067,-79.936 ; 15.159,-79.936 ccw(c15.159,-79.601) 15.396,-79.838 ; 15.846,-81.558 cw(c17.807,-83.519) v1@17.807,-80.746 ; 16.07,-79.936 cw(c16.07,-81.138) 16.92,-80.288 ; v1@16.356,-80.746 cw(c16.356,-83.519) 18.317,-81.558 ; 16.556,-79.936 ccw(c16.556,-79.601) 16.793,-79.838 ; 16.637,-80.171 cw(c16.637,-80.432) 16.821,-80.247 ; 16.961,-80.387 cw(c16.776,-80.571) 17.037,-80.571 ; 17.118,-80.746 cw(c17.118,-83.519) 19.079,-81.558 ; 17.751,-81.558 cw(c19.712,-83.519) 19.712,-80.746 ; 18.513,-81.558 cw(c20.474,-83.519) 20.474,-80.746 ; 25.115,-75.086 ccw(c23.201,-73.171) 25.908,-73.171 ; 25.115,-74.52 cw(c23.201,-76.435) 25.908,-76.435 ; 25.299,-80.746 ccw(c25.299,-78.099) 27.171,-79.971 ccw(c27.154,-79.954) 27.178,-79.954 ; 25.908,-81.088 cw(c28.288,-81.088) 26.605,-79.405 ; 25.908,-78.288 ccw(c28.288,-78.288) 26.605,-79.971 ccw(c28.477,-78.099) 28.477,-80.746 ; 27.171,-79.405 cw(c27.154,-79.422) 27.178,-79.422 ; 27.178,-81.841 27.178,-73.332 28.384,-72.125 ; 27.723,-71.173 cw(c27.723,-73.676) 29.493,-71.906 ; 28.105,-80.6 ccw(c28.458,-80.247) 28.458,-80.746 ; 28.318,-80.746 ccw(c28.318,-80.247) 28.671,-80.6 ; 28.927,-71.906 cw(c30.697,-73.676) v1@30.697,-71.173 ; v1@29.019,-72.125 ccw(c29.019,-69.839) 30.636,-71.456 ; 29.034,-71.434 ccw(c30.543,-70.132) v1@30.543,-72.125 ; 29.684,-71.372 cw(c28.385,-70.628) 28.385,-72.125 ; 29.912,-71.941 cw(c31.496,-73.19) v1(31.496,-71.173) ; 29.934,-71.173 cw(c29.934,-73.243) 31.398,-71.779 ; 30.715,-72.062 cw(c30.976,-72.062) 30.791,-71.878 ; 30.931,-71.738 cw(c31.115,-71.923) 31.115,-71.662 ; 44.454,-80.746 cw(c44.454,-82.218) 45.495,-81.177 ; 44.929,-81.743 ccw(c45.166,-81.506) 45.166,-81.841 ; 44.929,-81.177 cw(c45.97,-82.218) v1@45.97,-80.746 ; 45.258,-81.841 ccw(c45.258,-81.506) 45.495,-81.743 ; 45.31,-81.939 cw(c45.547,-82.176) 45.547,-81.841 ; 45.47,-80.746 cw(c45.47,-82.218) 46.511,-81.177 ; 45.639,-81.841 cw(c45.639,-82.176) 45.876,-81.939 ; 45.818,-80.727 ccw(c45.864,-80.681) 45.864,-80.746 ; 45.945,-81.743 ccw(c46.182,-81.506) 46.182,-81.841 ; 45.945,-81.177 cw(c46.986,-82.218) v1@46.986,-80.746 ; 46.274,-81.841 ccw(c46.274,-81.506) 46.511,-81.743 ; 46.338,-80.746 ccw(c46.338,-80.681) 46.384,-80.727 ; 46.707,-80.727 ccw(c46.753,-80.681) 46.753,-80.746 ; 47.227,-80.746 ccw(c47.227,-80.681) 47.273,-80.727 ; 61.928,-81.841 63.833,-79.936 ; 62.738,-81.841 63.833,-80.746 ; 63.004,-80.765 ccw(c61.033,-78.793) J4.9@63.821,-78.793 ; J4.9@63.826,-78.802 cw(c61.656,-81.542) 65.151,-81.542 ; J4.10@63.825,-76.261 cw(c60.622,-79.464) 65.151,-79.464 ; J4.9@63.826,-78.783 ccw(c62.073,-76.253) 65.151,-76.253 ; 65.151,-81.498 cw(c68.72,-81.498) J4.11@66.381,-78.802 ; 65.151,-81.206 65.151,-76.253 ; 65.151,-79.232 cw(c69.352,-79.232) J4.12@66.381,-76.261 ; J4.11@66.373,-78.793 J4.9@63.833,-78.793 ; J4.11@66.38,-78.784 cw(c68.37,-76.253) 65.151,-76.253 ; v1@15.034,-80.746 v1(14.224,-79.936) 16.51,-79.936 18.415,-81.841 ; v1@15.034,-80.746 63.833,-80.746 ; v1@15.034,-80.746 v1(16.129,-81.841) 18.415,-81.841 ; 18.415,-81.841 25.908,-81.841 ; 25.908,-81.841 25.908,-72.697 27.432,-71.173 v1(29.337,-71.173) ; 25.908,-81.841 65.278,-81.841 66.373,-80.746 J4.12@66.373,-76.253 65.151,-76.253 ; 28.384,-72.125 v1(29.337,-71.173) ; 28.384,-72.125 v1@30.543,-72.125 ; v1(29.337,-71.173) v1(31.496,-71.173) ; v1@30.543,-72.125 v1(31.496,-71.173) ; 63.833,-80.746 63.833,-79.936 ; 63.833,-79.936 J4.9@63.833,-78.793 ; J4.9@63.833,-78.793 J4.10@63.833,-76.253 65.151,-76.253